# Altium PCB Board.PcbDoc (part 4 of 8)
Units mil, origin at the board's own origin, x right, y up, seen from the top; angles counter-clockwise.
Board outline 2740.16 x 1181.1 mil, 6 copper layers (Top Layer, Int1 (GND), Int2 (Sign), Int3 (Sign), Int4 (PWR), Bottom Layer), stack 60.567 mil thick; 167 components, 261 nets, 1353 pads, 681 vias.
Unrouted connection lines stored in the file: 23.
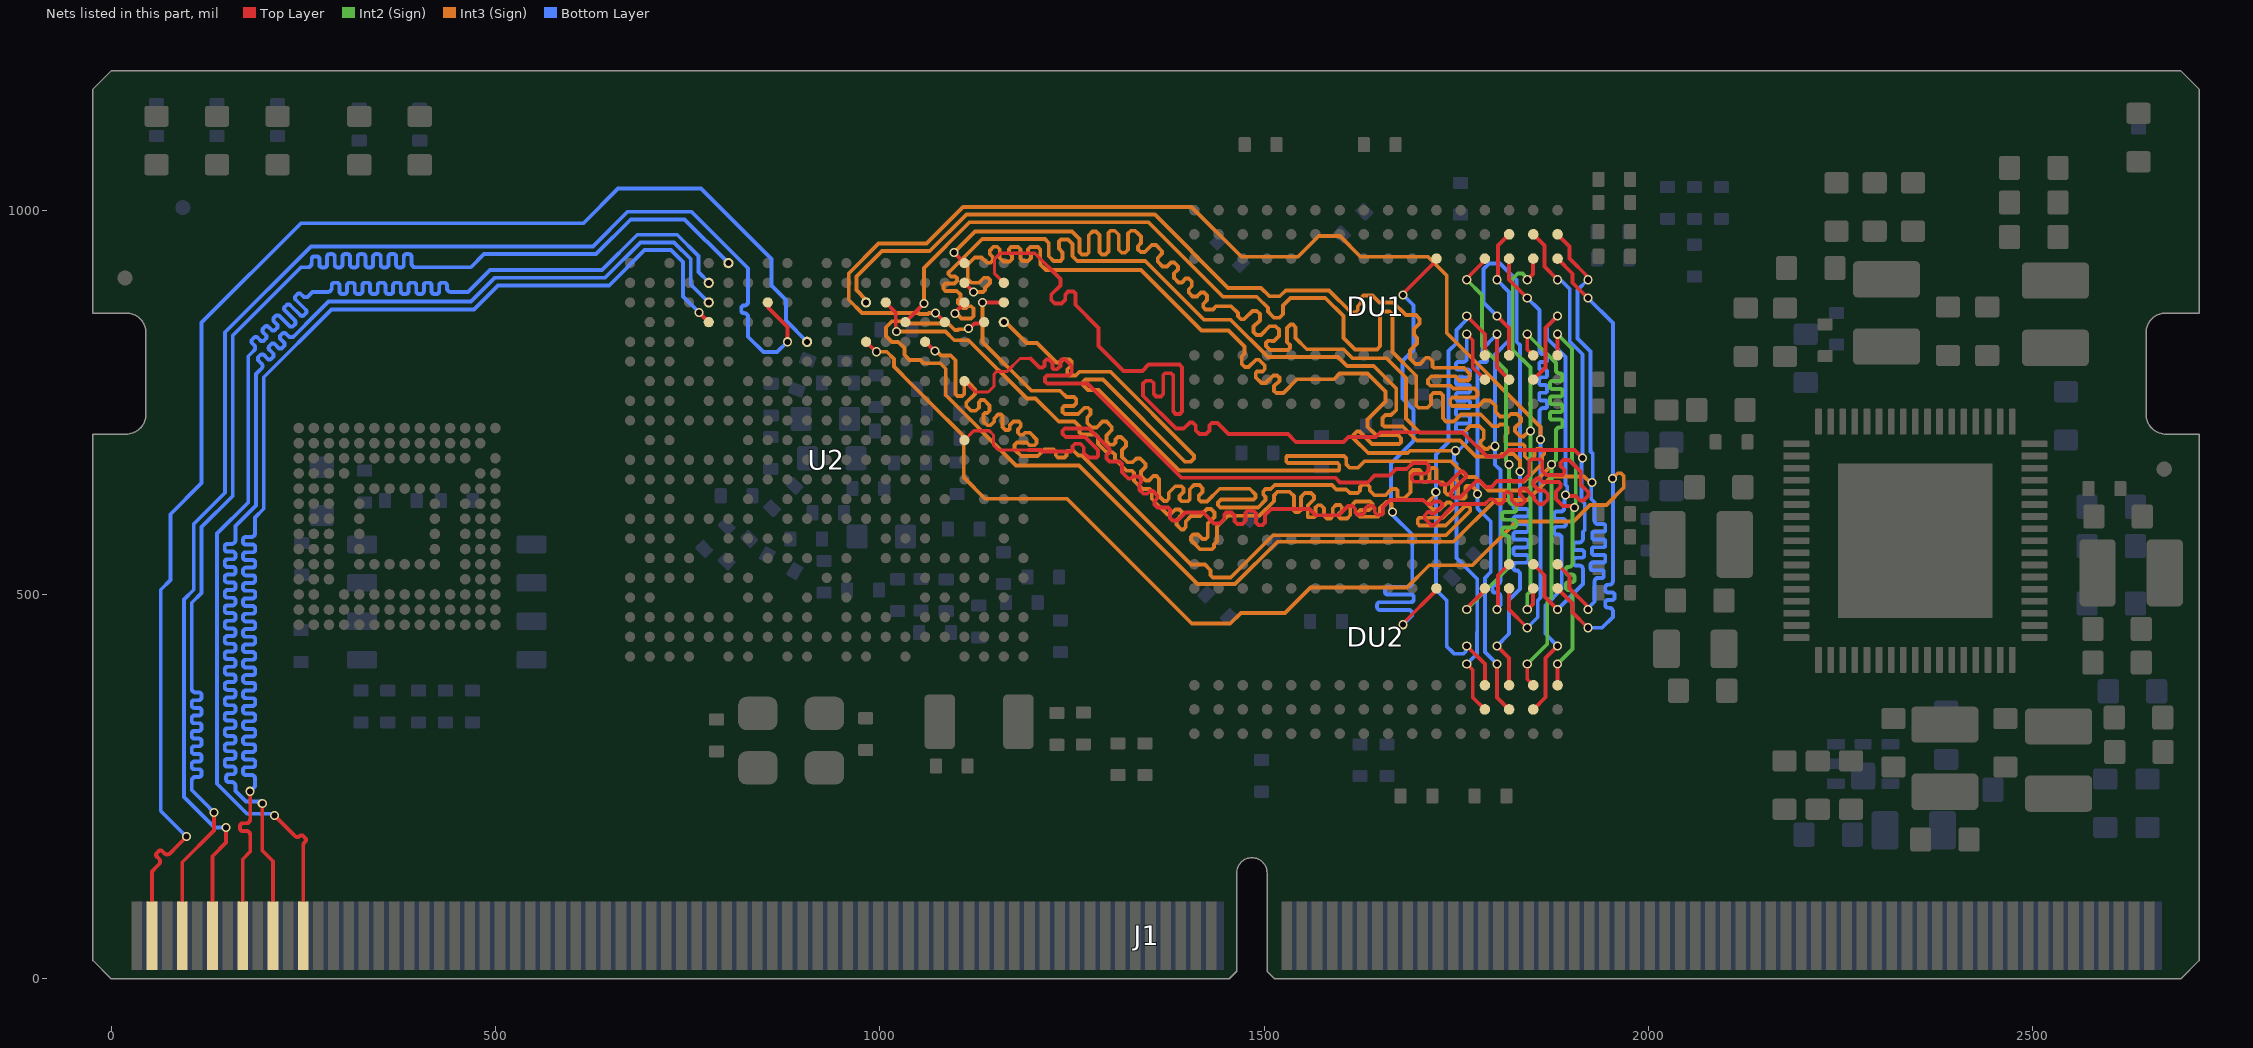
[diagram p8: the nets of this part, all layers, seen from the top]

## Via types
v1: diameter 11.81, hole 7.87, Top Layer to Bottom Layer, tented both sides, 510 vias
v2: diameter 17.72, hole 7.87, Top Layer to Bottom Layer, tented both sides, 112 vias
v3: diameter 15.75, hole 7.87, Top Layer to Bottom Layer, tented both sides, 43 vias
v4: diameter 31.5, hole 11.81, Top Layer to Bottom Layer, 16 vias

## Nets (pads, with @x,y where several pads share a name; then routed paths per layer and width w, separated by ;. In a path a pad name is that pad's centre, name@x,y a point inside that pad or via, vN(x,y) a via of type N, cw(c..) or ccw(c..) an arc to the next point about the centre after c; other vN are vias at no path point) (continued)
RGMII_TXCK: J1.19 U2.E19 | length 1890.2
  Top Layer w4.99: v1(196.67,228.17) 196.67,166.85 210.63,152.89 J1.19@210.63,55.98
  Bottom Layer w4.99: v1(196.67,228.17) 194.38,230.46 175.35,230.46 161.7,244.12 161.7,248.53 161.7,251.03 ccw(c156.71,251.03) 156.71,256.02 153.14,256.02 cw(c153.14,259.51) 149.64,259.51 149.64,262.51 cw(c153.14,262.51) 153.14,266.01 158.2,266.01 ccw(c158.2,269.5) 161.7,269.5 161.7,272.5 ccw(c158.2,272.5) 158.2,276 151.28,276 cw(c151.28,279.49) 147.79,279.49 147.79,282.49 cw(c151.28,282.49) 151.28,285.99 158.2,285.99 ccw(c158.2,289.48) 161.7,289.48 161.7,292.48 ccw(c158.2,292.48) 158.2,295.98 151.28,295.98 cw(c151.28,299.47) 147.79,299.47 147.79,302.47 cw(c151.28,302.47) 151.28,305.97 158.2,305.97 ccw(c158.2,309.46) 161.7,309.46 161.7,312.46 ccw(c158.2,312.46) 158.2,315.96 151.28,315.96 cw(c151.28,319.45) 147.79,319.45 147.79,322.45 cw(c151.28,322.45) 151.28,325.95 158.2,325.95 ccw(c158.2,329.44) 161.7,329.44 161.7,332.44 ccw(c158.2,332.44) 158.2,335.94 151.28,335.94 cw(c151.28,339.43) 147.79,339.43 147.79,342.43 cw(c151.28,342.43) 151.28,345.93 158.2,345.93 ccw(c158.2,349.42) 161.7,349.42 161.7,352.42 ccw(c158.2,352.42) 158.2,355.92 151.28,355.92 cw(c151.28,359.41) 147.79,359.41 147.79,362.41 cw(c151.28,362.41) 151.28,365.91 158.2,365.91 ccw(c158.2,369.4) 161.7,369.4 161.7,372.4 ccw(c158.2,372.4) 158.2,375.9 151.28,375.9 cw(c151.28,379.39) 147.79,379.39 147.79,382.39 cw(c151.28,382.39) 151.28,385.89 158.2,385.89 ccw(c158.2,389.38) 161.7,389.38 161.7,392.38 ccw(c158.2,392.38) 158.2,395.88 151.28,395.88 cw(c151.28,399.37) 147.79,399.37 147.79,402.37 cw(c151.28,402.37) 151.28,405.87 158.2,405.87 ccw(c158.2,409.36) 161.7,409.36 161.7,412.36 ccw(c158.2,412.36) 158.2,415.86 151.28,415.86 cw(c151.28,419.35) 147.79,419.35 147.79,422.35 cw(c151.28,422.35) 151.28,425.85 158.2,425.85 ccw(c158.2,429.34) 161.7,429.34 161.7,432.34 ccw(c158.2,432.34) 158.2,435.84 151.28,435.84 cw(c151.28,439.33) 147.79,439.33 147.79,442.33 cw(c151.28,442.33) 151.28,445.83 158.2,445.83 ccw(c158.2,449.32) 161.7,449.32 161.7,452.32 ccw(c158.2,452.32) 158.2,455.82 151.28,455.82 cw(c151.28,459.31) 147.79,459.31 147.79,462.31 cw(c151.28,462.31) 151.28,465.81 158.2,465.81 ccw(c158.2,469.3) 161.7,469.3 161.7,472.3 ccw(c158.2,472.3) 158.2,475.8 151.28,475.8 cw(c151.28,479.29) 147.79,479.29 147.79,482.29 cw(c151.28,482.29) 151.28,485.79 158.2,485.79 ccw(c158.2,489.28) 161.7,489.28 161.7,492.28 ccw(c158.2,492.28) 158.2,495.78 151.28,495.78 cw(c151.28,499.27) 147.79,499.27 147.79,502.27 cw(c151.28,502.27) 151.28,505.77 158.2,505.77 ccw(c158.2,509.26) 161.7,509.26 161.7,512.26 ccw(c158.2,512.26) 158.2,515.76 151.28,515.76 cw(c151.28,519.25) 147.79,519.25 147.79,522.25 cw(c151.28,522.25) 151.28,525.75 158.2,525.75 ccw(c158.2,529.24) 161.7,529.24 161.7,532.24 ccw(c158.2,532.24) 158.2,535.74 151.28,535.74 cw(c151.28,539.23) 147.79,539.23 147.79,542.23 cw(c151.28,542.23) 151.28,545.73 158.2,545.73 ccw(c158.2,549.22) 161.7,549.22 161.7,552.22 ccw(c158.2,552.22) 158.2,555.72 151.28,555.72 cw(c151.28,559.21) 147.79,559.21 147.79,562.21 cw(c151.28,562.21) 151.28,565.71 156.71,565.71 ccw(c156.71,570.7) 161.7,570.7 161.7,582.28 161.7,588.91 188.46,615.67 188.46,786.67 193.66,791.86 195.42,793.63 ccw(c191.89,797.16) 195.42,800.68 191.85,804.26 cw(c194.32,806.73) 191.85,809.2 193.97,811.32 cw(c196.44,808.85) 198.91,811.32 203.54,806.69 ccw(c206.01,809.16) 208.49,806.69 210.61,808.81 ccw(c208.13,811.28) 210.61,813.76 205.97,818.39 cw(c208.45,820.86) 205.97,823.33 208.09,825.45 cw(c210.57,822.98) 213.04,825.45 217.67,820.82 ccw(c220.14,823.29) 222.61,820.82 224.73,822.94 ccw(c222.26,825.41) 224.73,827.88 220.44,832.18 cw(c222.91,834.65) 220.44,837.12 222.56,839.24 cw(c225.03,836.77) 227.5,839.24 230.74,836 ccw(c234.27,839.53) 237.8,836 267.83,866.03 282.85,881.06 468.13,881.06 499.23,912.16 642.89,912.16 688.78,958.05 732.51,958.05 754.19,936.36 754.19,903.29 v1(777.56,879.92)
RGMII_TXCTL: J1.3 U2.K17 | length 1848.3
  Top Layer w4.99: J1.3@53.15,55.98 53.15,139.76 60.62,147.23 62.38,148.99 ccw(c58.85,152.52) 62.38,156.05 59.58,158.85 cw(c62.06,161.32) 59.58,163.79 61.7,165.91 cw(c64.17,163.44) 66.65,165.91 69.44,163.12 ccw(c72.97,166.64) 76.5,163.12 85.82,172.44 v1(98.2,184.82)
  Bottom Layer w4.99: v1(98.2,184.82) 64.54,218.48 64.54,506.03 77.2,518.69 77.2,604.39 117.76,644.96 117.76,853.62 247.2,983.06 614.69,983.06 659.61,1027.98 767.61,1027.98 777.79,1017.79 859.04,936.55 859.04,901.81 877.89,882.96 877.89,856.37 v1(905.51,828.74)
RGMII_TXD0: J1.11 U2.H19 | length 1848.6
  Top Layer w4.99: J1.11@131.89,55.98 131.89,159.45 149.61,177.17 v1(149.61,196.85) ; U2.H19@854.33,879.92 855.09,879.17 855.09,872.6 879.92,847.77 v1(879.92,828.74)
  Bottom Layer w4.99: v1(149.61,196.85) 134.51,196.85 94.84,236.53 94.84,493.48 107.5,506.14 107.5,591.84 148.06,632.41 148.06,841.07 259.86,952.87 626.89,952.87 672.03,998.01 755.2,998.01 828.74,924.46 828.74,893.44 828.74,880.96 cw(c823.75,880.96) 823.75,875.97 823.38,875.97 ccw(c823.38,872.47) 819.88,872.47 819.88,869.47 ccw(c823.38,869.47) 823.38,865.98 823.75,865.98 cw(c823.75,860.99) 828.74,860.99 828.74,846.46 828.74,835.3 848.76,815.28 866.46,815.28 v1(879.92,828.74)
RGMII_TXD1: J1.7 U2.F21 | length 1871.2
  Top Layer w4.99: J1.7@92.52,55.98 92.52,151.58 133.86,192.91 v1(133.86,216.54)
  Bottom Layer w4.99: v1(133.86,216.54) 122.05,228.35 104.94,245.46 104.94,257.57 cw(c109.93,257.57) 109.93,262.56 114.21,262.56 ccw(c114.21,266.06) 117.71,266.06 117.71,269.05 ccw(c114.21,269.05) 114.21,272.55 108.32,272.55 cw(c108.32,276.05) 104.83,276.05 104.83,279.04 cw(c108.32,279.04) 108.32,282.54 114.21,282.54 ccw(c114.21,286.04) 117.71,286.04 117.71,289.03 ccw(c114.21,289.03) 114.21,292.53 108.32,292.53 cw(c108.32,296.03) 104.83,296.03 104.83,299.02 cw(c108.32,299.02) 108.32,302.52 114.21,302.52 ccw(c114.21,306.02) 117.71,306.02 117.71,309.01 ccw(c114.21,309.01) 114.21,312.51 108.32,312.51 cw(c108.32,316.01) 104.83,316.01 104.83,319 cw(c108.32,319) 108.32,322.5 114.21,322.5 ccw(c114.21,326) 117.71,326 117.71,328.99 ccw(c114.21,328.99) 114.21,332.49 108.32,332.49 cw(c108.32,335.99) 104.83,335.99 104.83,338.98 cw(c108.32,338.98) 108.32,342.48 114.21,342.48 ccw(c114.21,345.98) 117.71,345.98 117.71,348.97 ccw(c114.21,348.97) 114.21,352.47 108.32,352.47 cw(c108.32,355.97) 104.83,355.97 104.83,358.96 cw(c108.32,358.96) 108.32,362.46 114.21,362.46 ccw(c114.21,365.96) 117.71,365.96 117.71,368.95 ccw(c114.21,368.95) 114.21,372.45 109.93,372.45 cw(c109.93,377.44) 104.94,377.44 104.94,419.43 104.94,489.3 117.6,501.96 117.6,587.66 158.16,628.22 158.16,836.89 244.76,923.49 246.99,925.71 253.48,925.71 255.97,925.71 ccw(c255.97,930.7) 260.96,930.7 260.96,936.35 cw(c264.46,936.35) 264.46,939.84 267.46,939.84 cw(c267.46,936.35) 270.95,936.35 270.95,929.1 ccw(c274.45,929.1) 274.45,925.6 277.45,925.6 ccw(c277.45,929.1) 280.94,929.1 280.94,939.27 cw(c284.44,939.27) 284.44,942.77 287.44,942.77 cw(c287.44,939.27) 290.93,939.27 290.93,929.1 ccw(c294.43,929.1) 294.43,925.6 297.43,925.6 ccw(c297.43,929.1) 300.92,929.1 300.92,939.27 cw(c304.42,939.27) 304.42,942.77 307.42,942.77 cw(c307.42,939.27) 310.91,939.27 310.91,929.1 ccw(c314.41,929.1) 314.41,925.6 317.41,925.6 ccw(c317.41,929.1) 320.9,929.1 320.9,939.27 cw(c324.4,939.27) 324.4,942.77 327.4,942.77 cw(c327.4,939.27) 330.89,939.27 330.89,929.1 ccw(c334.39,929.1) 334.39,925.6 337.39,925.6 ccw(c337.39,929.1) 340.88,929.1 340.88,939.27 cw(c344.38,939.27) 344.38,942.77 347.38,942.77 cw(c347.38,939.27) 350.87,939.27 350.87,929.1 ccw(c354.37,929.1) 354.37,925.6 357.37,925.6 ccw(c357.37,929.1) 360.86,929.1 360.86,939.27 cw(c364.36,939.27) 364.36,942.77 367.36,942.77 cw(c367.36,939.27) 370.85,939.27 370.85,929.1 ccw(c374.35,929.1) 374.35,925.6 377.35,925.6 ccw(c377.35,929.1) 380.84,929.1 380.84,939.27 cw(c384.34,939.27) 384.34,942.77 387.34,942.77 cw(c387.34,939.27) 390.83,939.27 390.83,930.7 ccw(c395.82,930.7) 395.82,925.71 416.12,925.71 468.01,925.71 485.07,942.77 630.91,942.77 676.16,988.02 746.24,988.02 v1(803.15,931.1)
RGMII_TXD2: J1.23 U2.E20 | length 1870.6
  Top Layer w4.99: v1(212.42,212.42) 237.11,187.74 238.87,185.98 ccw(c242.4,189.5) 245.93,185.98 cw(c247.69,184.21) 249.46,185.98 252.99,182.44 cw(c251.23,180.68) 252.99,178.91 251.46,177.38 ccw(c254.99,173.85) 250,173.85 250,145.92 J1.23@250,55.98
  Bottom Layer w4.99: v1(212.42,212.42) 210.13,214.71 176.82,214.71 137.8,253.74 137.8,579.29 178.36,619.86 178.36,809.85 184.26,815.74 186.02,817.51 ccw(c182.49,821.04) 186.02,824.56 183.66,826.92 cw(c186.14,829.39) 183.66,831.87 185.78,833.99 cw(c188.26,831.51) 190.73,833.99 194.14,830.57 ccw(c196.61,833.04) 199.09,830.57 201.21,832.69 ccw(c198.73,835.16) 201.21,837.64 197.79,841.05 cw(c200.26,843.52) 197.79,845.99 199.91,848.11 cw(c202.38,845.64) 204.86,848.11 208.6,844.37 ccw(c211.08,846.84) 213.55,844.37 215.67,846.48 ccw(c213.2,848.96) 215.67,851.43 211.92,855.18 cw(c214.39,857.65) 211.92,860.12 214.04,862.24 cw(c216.51,859.77) 218.98,862.24 231.97,849.25 ccw(c234.45,851.72) 236.92,849.25 239.04,851.37 ccw(c236.57,853.84) 239.04,856.32 226.05,869.31 cw(c228.52,871.78) 226.05,874.25 228.17,876.37 cw(c230.64,873.9) 233.11,876.37 246.1,863.38 ccw(c248.57,865.85) 251.05,863.38 253.17,865.5 ccw(c250.69,867.97) 253.17,870.44 240.18,883.43 cw(c242.65,885.91) 240.18,888.38 242.3,890.5 cw(c244.77,888.03) 247.24,890.5 249.6,888.14 ccw(c253.13,891.67) 256.65,888.14 262.21,893.7 271.65,893.7 279.53,893.7 282.02,893.7 ccw(c282.02,898.69) 287.01,898.69 287.01,902.13 cw(c290.51,902.13) 290.51,905.62 293.51,905.62 cw(c293.51,902.13) 297,902.13 297,894.55 ccw(c300.5,894.55) 300.5,891.05 303.5,891.05 ccw(c303.5,894.55) 306.99,894.55 306.99,902.13 cw(c310.49,902.13) 310.49,905.62 313.49,905.62 cw(c313.49,902.13) 316.98,902.13 316.98,894.55 ccw(c320.48,894.55) 320.48,891.05 323.48,891.05 ccw(c323.48,894.55) 326.97,894.55 326.97,902.13 cw(c330.47,902.13) 330.47,905.62 333.47,905.62 cw(c333.47,902.13) 336.96,902.13 336.96,894.55 ccw(c340.46,894.55) 340.46,891.05 343.46,891.05 ccw(c343.46,894.55) 346.95,894.55 346.95,902.13 cw(c350.45,902.13) 350.45,905.62 353.45,905.62 cw(c353.45,902.13) 356.94,902.13 356.94,894.55 ccw(c360.44,894.55) 360.44,891.05 363.44,891.05 ccw(c363.44,894.55) 366.93,894.55 366.93,902.13 cw(c370.43,902.13) 370.43,905.62 373.43,905.62 cw(c373.43,902.13) 376.92,902.13 376.92,894.55 ccw(c380.42,894.55) 380.42,891.05 383.42,891.05 ccw(c383.42,894.55) 386.91,894.55 386.91,902.13 cw(c390.41,902.13) 390.41,905.62 393.41,905.62 cw(c393.41,902.13) 396.9,902.13 396.9,894.55 ccw(c400.4,894.55) 400.4,891.05 403.4,891.05 ccw(c403.4,894.55) 406.89,894.55 406.89,902.13 cw(c410.39,902.13) 410.39,905.62 413.39,905.62 cw(c413.39,902.13) 416.88,902.13 416.88,894.55 ccw(c420.38,894.55) 420.38,891.05 423.38,891.05 ccw(c423.38,894.55) 426.87,894.55 426.87,902.13 cw(c430.37,902.13) 430.37,905.62 433.37,905.62 cw(c433.37,902.13) 436.86,902.13 436.86,898.69 ccw(c441.85,898.69) 441.85,893.7 464.57,893.7 465.82,894.95 493.02,922.15 638.69,922.15 684.57,968.04 736.65,968.04 764.29,940.39 764.29,919.46 777.56,906.2 v1(777.56,905.51)
RGMII_TXD3: J1.15 U2.E18 | length 1877.6
  Top Layer w4.99: J1.15@171.26,55.98 171.26,155.51 180.93,165.18 180.93,184.76 180.93,187.25 ccw(c175.94,187.25) 175.94,192.24 171.06,192.24 cw(c171.06,195.74) 167.56,195.74 167.56,198.74 cw(c171.06,198.74) 171.06,202.23 175.94,202.23 ccw(c175.94,207.22) 180.93,207.22 180.93,218.14 v1(180.93,243.92) ; v1(764.8,866.82) 764.94,866.82 777.42,854.33 U2.E18@777.56,854.33
  Bottom Layer w4.99: v1(180.93,243.92) 187.36,250.36 187.36,257.65 187.36,260.14 ccw(c182.37,260.14) 182.37,265.13 175.18,265.13 cw(c175.18,268.63) 171.69,268.63 171.69,271.63 cw(c175.18,271.63) 175.18,275.12 183.98,275.12 ccw(c183.98,278.62) 187.47,278.62 187.47,281.62 ccw(c183.98,281.62) 183.98,285.11 175.18,285.11 cw(c175.18,288.61) 171.69,288.61 171.69,291.61 cw(c175.18,291.61) 175.18,295.1 183.98,295.1 ccw(c183.98,298.6) 187.47,298.6 187.47,301.6 ccw(c183.98,301.6) 183.98,305.09 175.18,305.09 cw(c175.18,308.59) 171.69,308.59 171.69,311.59 cw(c175.18,311.59) 175.18,315.08 183.98,315.08 ccw(c183.98,318.58) 187.47,318.58 187.47,321.58 ccw(c183.98,321.58) 183.98,325.07 175.18,325.07 cw(c175.18,328.57) 171.69,328.57 171.69,331.57 cw(c175.18,331.57) 175.18,335.06 183.98,335.06 ccw(c183.98,338.56) 187.47,338.56 187.47,341.56 ccw(c183.98,341.56) 183.98,345.05 175.18,345.05 cw(c175.18,348.55) 171.69,348.55 171.69,351.55 cw(c175.18,351.55) 175.18,355.04 183.98,355.04 ccw(c183.98,358.54) 187.47,358.54 187.47,361.54 ccw(c183.98,361.54) 183.98,365.03 175.18,365.03 cw(c175.18,368.53) 171.69,368.53 171.69,371.53 cw(c175.18,371.53) 175.18,375.02 183.98,375.02 ccw(c183.98,378.52) 187.47,378.52 187.47,381.52 ccw(c183.98,381.52) 183.98,385.01 175.18,385.01 cw(c175.18,388.51) 171.69,388.51 171.69,391.51 cw(c175.18,391.51) 175.18,395 183.98,395 ccw(c183.98,398.5) 187.47,398.5 187.47,401.5 ccw(c183.98,401.5) 183.98,404.99 175.18,404.99 cw(c175.18,408.49) 171.69,408.49 171.69,411.49 cw(c175.18,411.49) 175.18,414.98 183.98,414.98 ccw(c183.98,418.48) 187.47,418.48 187.47,421.48 ccw(c183.98,421.48) 183.98,424.97 175.18,424.97 cw(c175.18,428.47) 171.69,428.47 171.69,431.47 cw(c175.18,431.47) 175.18,434.96 183.98,434.96 ccw(c183.98,438.46) 187.47,438.46 187.47,441.46 ccw(c183.98,441.46) 183.98,444.95 175.18,444.95 cw(c175.18,448.45) 171.69,448.45 171.69,451.45 cw(c175.18,451.45) 175.18,454.94 183.98,454.94 ccw(c183.98,458.44) 187.47,458.44 187.47,461.44 ccw(c183.98,461.44) 183.98,464.93 175.18,464.93 cw(c175.18,468.43) 171.69,468.43 171.69,471.43 cw(c175.18,471.43) 175.18,474.92 183.98,474.92 ccw(c183.98,478.42) 187.47,478.42 187.47,481.42 ccw(c183.98,481.42) 183.98,484.91 175.18,484.91 cw(c175.18,488.41) 171.69,488.41 171.69,491.41 cw(c175.18,491.41) 175.18,494.9 183.98,494.9 ccw(c183.98,498.4) 187.47,498.4 187.47,501.4 ccw(c183.98,501.4) 183.98,504.89 175.18,504.89 cw(c175.18,508.39) 171.69,508.39 171.69,511.39 cw(c175.18,511.39) 175.18,514.88 183.98,514.88 ccw(c183.98,518.38) 187.47,518.38 187.47,521.38 ccw(c183.98,521.38) 183.98,524.87 175.18,524.87 cw(c175.18,528.37) 171.69,528.37 171.69,531.37 cw(c175.18,531.37) 175.18,534.86 183.98,534.86 ccw(c183.98,538.36) 187.47,538.36 187.47,541.36 ccw(c183.98,541.36) 183.98,544.85 175.18,544.85 cw(c175.18,548.35) 171.69,548.35 171.69,551.35 cw(c175.18,551.35) 175.18,554.84 183.98,554.84 ccw(c183.98,558.34) 187.47,558.34 187.47,561.34 ccw(c183.98,561.34) 183.98,564.83 175.18,564.83 cw(c175.18,568.33) 171.69,568.33 171.69,571.33 cw(c175.18,571.33) 175.18,574.82 182.37,574.82 ccw(c182.37,579.81) 187.36,579.81 187.36,600.29 198.56,611.49 198.56,782.64 286.88,870.96 472.31,870.96 503.52,902.17 648.07,902.17 693.96,948.06 728.38,948.06 744.09,932.34 744.09,887.8 764.8,867.09 v1(764.8,866.82)
SA0: DU1.N3 DU2.N3 U2.T17 | length 1944.8
  Top Layer w5: U2.T17@1059.06,828.74 1059.43,828.74 1071.35,816.82 v1(1071.73,816.82) ; v1(1763.78,433.07) 1787.4,409.45 DU2.N3@1787.4,381.89 ; v1(1763.78,862.2) 1787.4,838.58 DU1.N3@1787.4,811.02
  Int3 (Sign) w5: v1(1071.73,816.82) 1073.57,816.82 1079.63,810.77 1092.45,810.77 1098.49,804.73 1098.49,760.93 1101.42,758 1107,758 1110,761 1110,772.07 1112.93,775 1116,775 1124,767 1124,761 1112.57,749.57 1112.57,745.43 1119,739 1125,739 1129,743 1129,750 1131.93,752.93 1136.07,752.93 1143,746 1143,739 1140,736 1137,736 1135,734 1135,725 1139.93,720.07 1144.07,720.07 1149,725 1149,729 1153.93,733.93 1158.07,733.93 1159.74,732.26 1159.74,717.99 1163.86,713.86 1167.79,713.86 1169.29,715.36 1169.29,720.34 1173.94,725 1181,725 1183.43,722.57 1183.43,718.43 1179.84,714.84 1179.84,710.43 1182.52,707.76 1186.37,707.76 1188.99,710.37 1195.63,710.37 1204.17,701.83 1204.17,696.65 1201.65,694.14 1195.01,694.14 1191.27,697.87 1178.8,697.87 1175.59,694.66 1175.59,688.54 1184.13,680 1205.61,680 1214.49,688.88 1226.07,688.88 1229,685.95 1229,681.2 1231.93,678.27 1240.52,678.27 1243,680.75 1243,685.59 1244.34,686.93 1252.07,686.93 1258.41,680.59 1263.41,680.59 1405,539 1423,539 1428.75,533.25 1428.75,533.12 1430.36,531.51 1430.36,524.93 1433.28,522 1456.76,522 1511.78,577.02 1736.97,577.02 1768.33,608.38 1768.33,612.65 1765.92,615.06 1761.58,615.06 1736.4,589.88 1702.51,589.88 1699.98,592.41 1699.98,597.55 1701.72,599.28 ; 1702.56,599.86 1733.23,599.86 1745.97,612.6 1745.97,615.79 1742.23,619.54 1737.87,619.54 1728.65,610.31 1720.04,610.31 1714.21,616.14 1714.21,621.08 1723.49,630.37 v1(1723.49,633.06)
  Bottom Layer w5: v1(1763.78,433.07) 1762.48,431.77 1762.48,425.78 1759.55,422.85 1747.15,422.85 1745.02,424.98 1737.81,432.19 1737.81,492.19 1723.93,506.07 1723.93,632.62 v1(1723.49,633.06) 1723.56,633.13 1723.56,682.01 1740,698.44 1740,816.54 1750.37,826.91 1750.37,844.14 1763.78,857.54 v1(1763.78,862.2)
SA1: DU1.P7 DU2.P7 U2.U18 | length 1938.2
  Top Layer w5: v1(1072.84,866.14) U2.U18@1084.65,854.33 ; DU2.P7@1818.9,507.87 1818.9,480.31 v1(1842.52,456.69) ; DU1.P7@1818.9,937.01 1818.9,909.45 v1(1842.52,885.83)
  Int3 (Sign) w5: v1(1072.84,866.14) 1064.23,866.14 1063.01,864.92 1051.91,864.92 1050.69,866.14 977.11,866.14 959.73,883.51 959.73,917.8 998.63,956.69 1061.03,956.69 1108.59,1004.25 1405.75,1004.25 1470.65,939.35 1544.35,939.35 1571.16,966.16 1598.84,966.16 1625.65,939.35 1713.47,939.35 1737.81,915 1737.81,840.1 1859.95,717.96 v1(1859.95,701.54)
  Bottom Layer w5: v1(1842.52,456.69) 1856.14,470.31 1856.14,492.34 1859.86,496.06 1859.86,701.45 v1(1859.95,701.54) 1858.27,703.22 1858.27,705.18 1859.95,706.86 1859.95,717.96 1858.48,719.43 1858.48,726.61 1858.48,737.5 cw(c1863.48,737.5) 1863.48,742.5 1865.81,742.5 ccw(c1865.81,745) 1868.31,745 1868.31,750 ccw(c1865.81,750) 1865.81,752.5 1860.56,752.5 cw(c1860.56,755) 1858.06,755 1858.06,760 cw(c1860.56,760) 1860.56,762.5 1865.81,762.5 ccw(c1865.81,765) 1868.31,765 1868.31,770 ccw(c1865.81,770) 1865.81,772.5 1860.56,772.5 cw(c1860.56,775) 1858.06,775 1858.06,780 cw(c1860.56,780) 1860.56,782.5 1865.81,782.5 ccw(c1865.81,785) 1868.31,785 1868.31,790 ccw(c1865.81,790) 1865.81,792.5 1860.56,792.5 cw(c1860.56,795) 1858.06,795 1858.06,800 cw(c1860.56,800) 1860.56,802.5 1865.81,802.5 ccw(c1865.81,805) 1868.31,805 1868.31,810 ccw(c1865.81,810) 1865.81,812.5 1863.48,812.5 cw(c1863.48,817.5) 1858.48,817.5 1858.48,820 1858.48,869.86 v1(1842.52,885.83)
SA2: DU1.P3 DU2.P3 U2.V19 | length 2052.7
  Top Layer w5: v1(1098.12,865.58) 1098.12,866.69 1110.24,878.81 U2.V19@1110.24,879.92 ; v1(1803.15,433.07) 1818.9,417.32 DU2.P3@1818.9,381.89 ; v1(1803.15,862.2) 1818.9,846.46 DU1.P3@1818.9,811.02
  Int3 (Sign) w5: v1(1098.12,865.58) 1099.97,865.58 1106.54,859 1119.07,859 1122,861.93 1122,872 1119.07,874.93 1114.93,874.93 1112.57,872.57 1108.43,872.57 1102.07,878.93 1102.07,883.07 1105,886 1105,890.27 1100.27,895 1085.7,895 1083.01,897.69 1083.01,902.22 1085.51,904.73 1097.27,904.73 1100.35,907.81 1100.35,911.62 1098.31,913.66 1092.53,913.66 1089.64,916.55 1089.64,918.74 1095.23,924.34 1133.34,962.44 1215,962.44 1220,957.44 1220,940.02 1226.07,933.95 1235,933.95 1238,936.95 1238,945 1233.06,949.94 1233.06,959.06 1236,962 1245,962 1251,956 1251,939.95 1257,933.95 1345.49,933.95 1422.05,857.39 1456.61,857.39 1504.97,809.03 1596.48,809.03 1608.21,797.3 1642.7,797.3 1671.99,768.01 1671.99,739.99 1665.39,733.38 1658.04,733.38 1654.38,729.73 1654.38,720.68 1656.49,718.57 1680.57,718.57 1698.73,700.42 1754.84,700.42 1775.8,679.46 1806.04,679.46 1809.28,682.7 1824.45,682.7 1833.05,674.1 v1(1833.05,660.22)
  Bottom Layer w5: v1(1803.15,433.07) 1818.9,448.82 1818.9,492.98 1833.05,507.14 1833.05,523.79 1833.05,526.29 ccw(c1828.05,526.29) 1828.05,531.29 1827.93,531.29 cw(c1827.93,534.79) 1824.43,534.79 1824.43,537.79 cw(c1827.93,537.79) 1827.93,541.29 1840.63,541.29 ccw(c1840.63,544.79) 1844.13,544.79 1844.13,547.79 ccw(c1840.63,547.79) 1840.63,551.29 1827.93,551.29 cw(c1827.93,554.79) 1824.43,554.79 1824.43,557.79 cw(c1827.93,557.79) 1827.93,561.29 1840.63,561.29 ccw(c1840.63,564.79) 1844.13,564.79 1844.13,567.79 ccw(c1840.63,567.79) 1840.63,571.29 1827.93,571.29 cw(c1827.93,574.79) 1824.43,574.79 1824.43,577.79 cw(c1827.93,577.79) 1827.93,581.29 1840.63,581.29 ccw(c1840.63,584.79) 1844.13,584.79 1844.13,587.79 ccw(c1840.63,587.79) 1840.63,591.29 1827.93,591.29 cw(c1827.93,594.79) 1824.43,594.79 1824.43,597.79 cw(c1827.93,597.79) 1827.93,601.29 1840.63,601.29 ccw(c1840.63,604.79) 1844.13,604.79 1844.13,607.79 ccw(c1840.63,607.79) 1840.63,611.29 1827.93,611.29 cw(c1827.93,614.79) 1824.43,614.79 1824.43,617.79 cw(c1827.93,617.79) 1827.93,621.29 1828,621.29 ccw(c1828,626.29) 1833,626.29 1833,635.3 1832.99,637.8 1832.99,660.16 v1(1833.05,660.22) ; v1(1803.15,862.2) 1785.54,879.82 1785.54,923.33 1793,930.8 1807.26,930.8 1828.9,909.16 1828.9,828.58 1833.05,824.43 v1(1833.05,660.22) v1@1832.99,660.22